# Altium PCB PCB1_done2.PcbDoc (part 1 of 3) (continued)
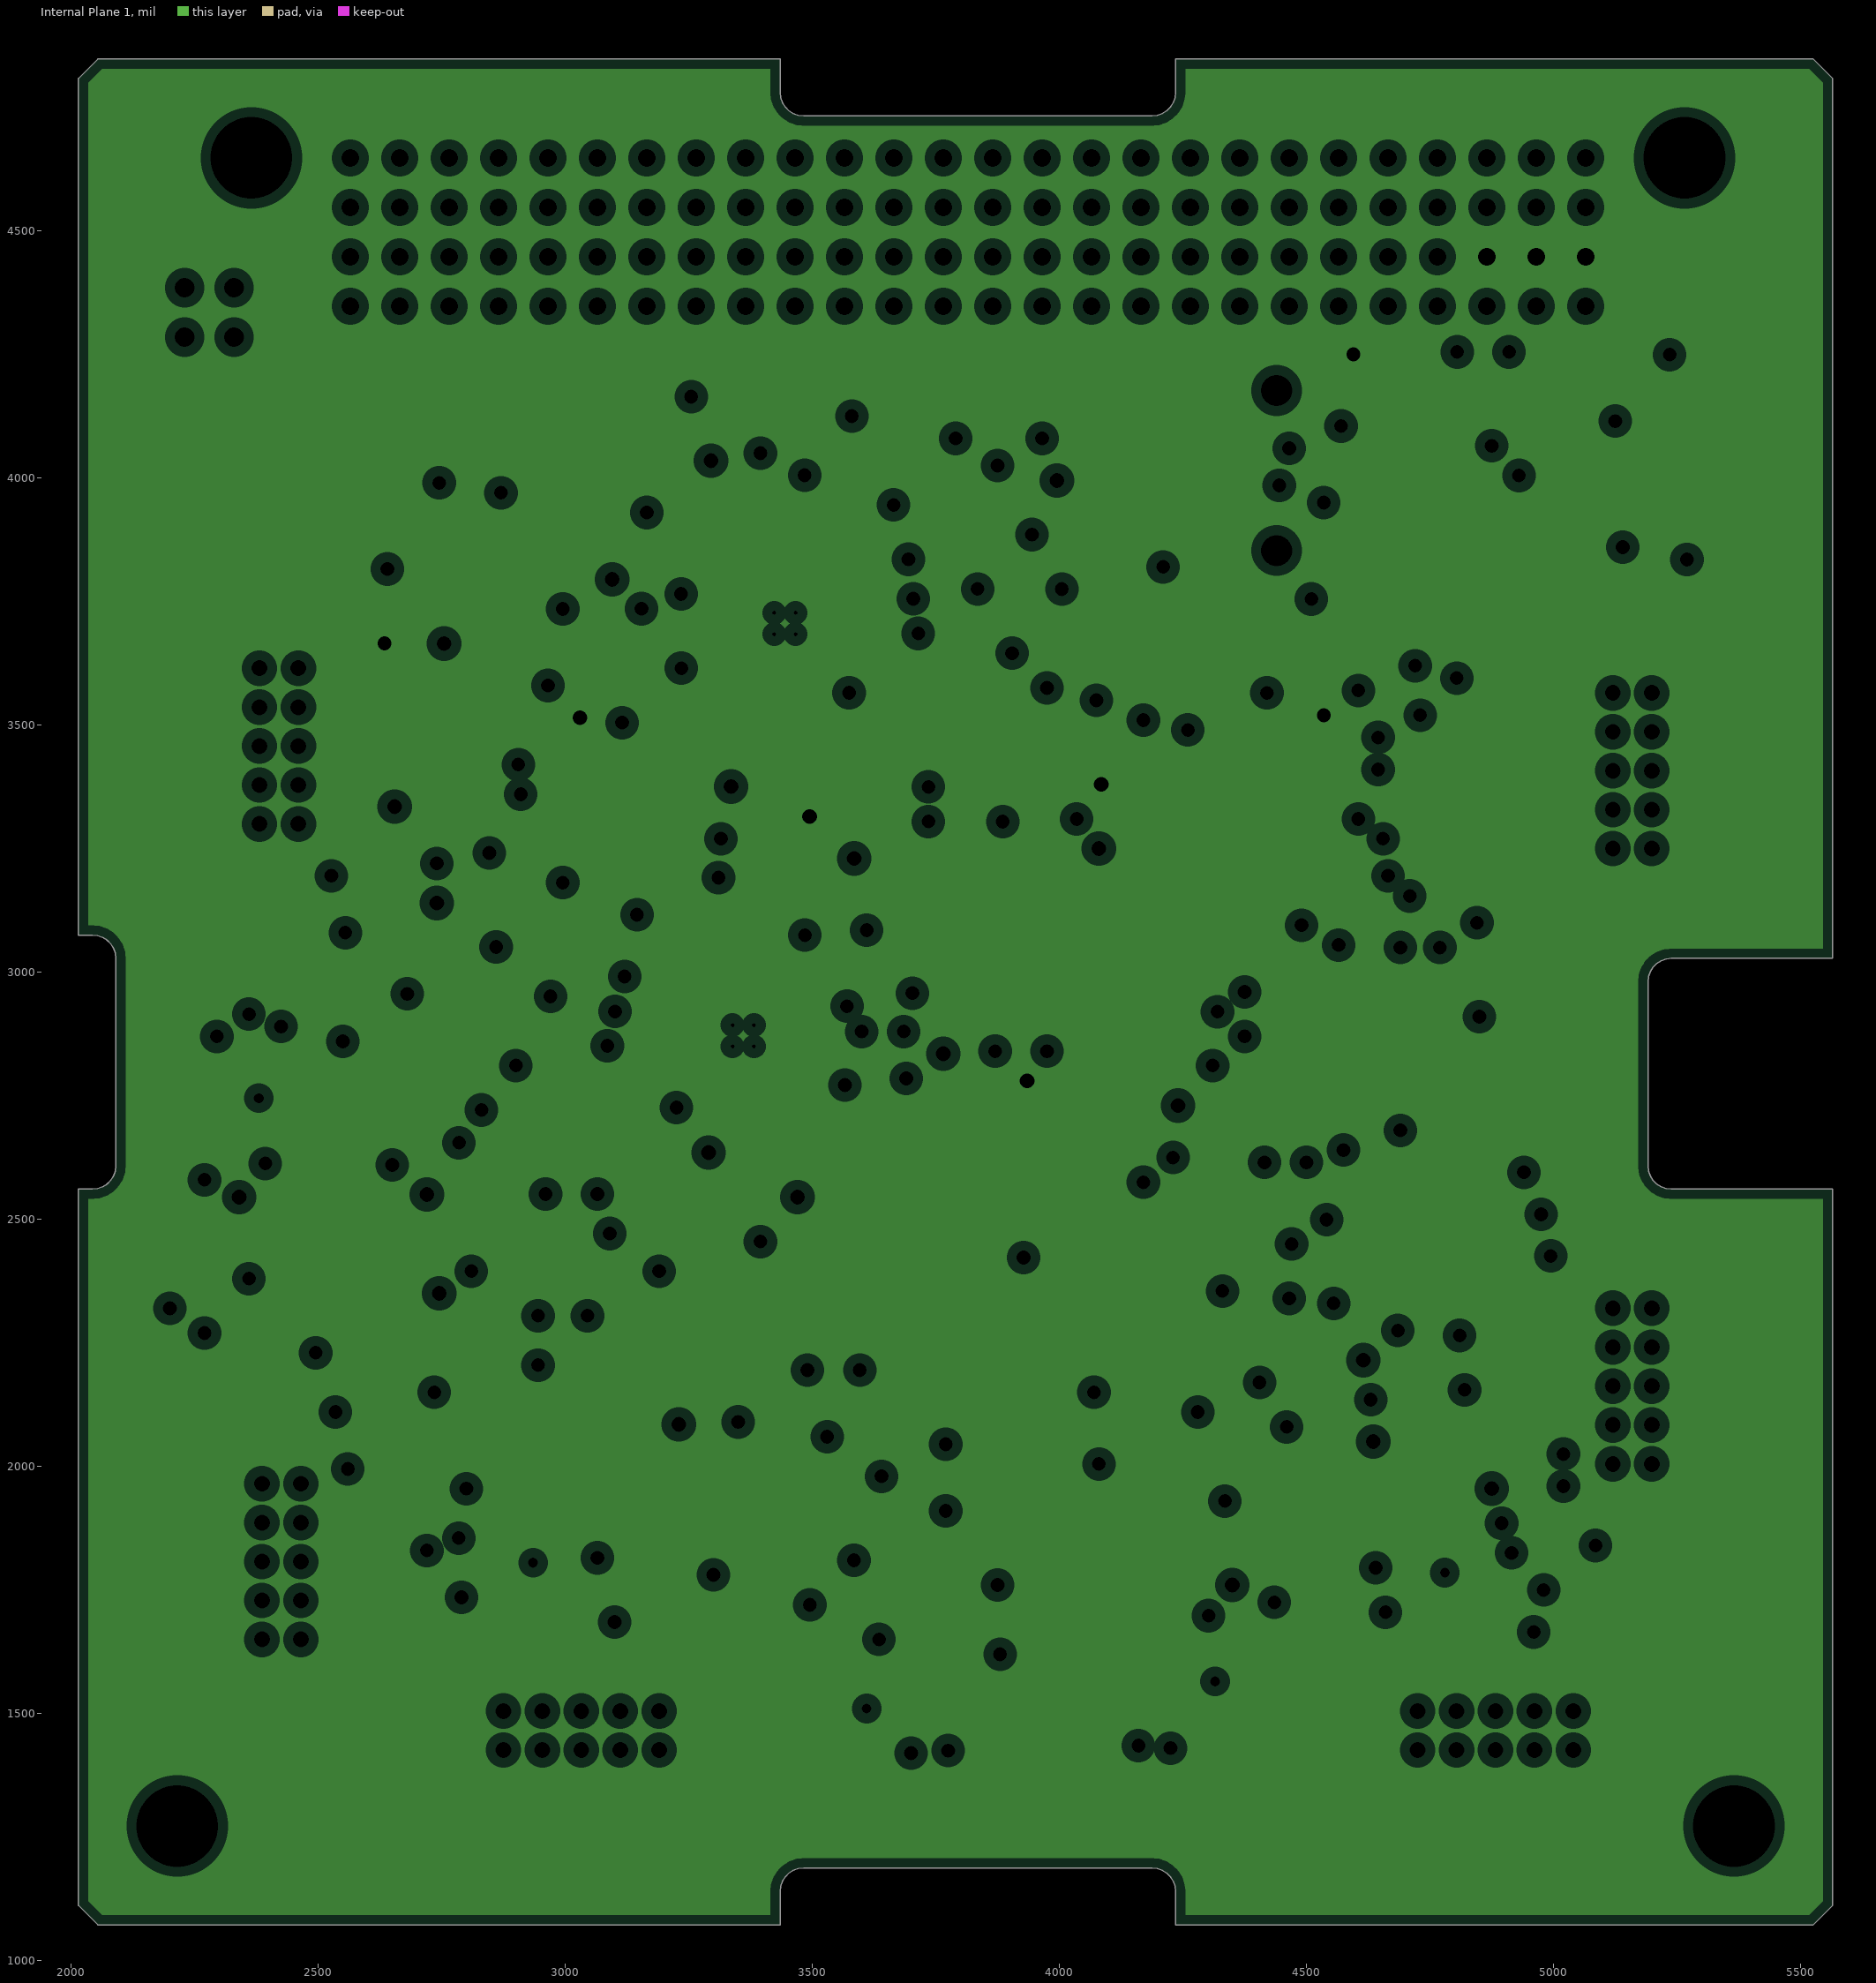
[diagram p4: Internal Plane 1, clearances drawn from the general rule]
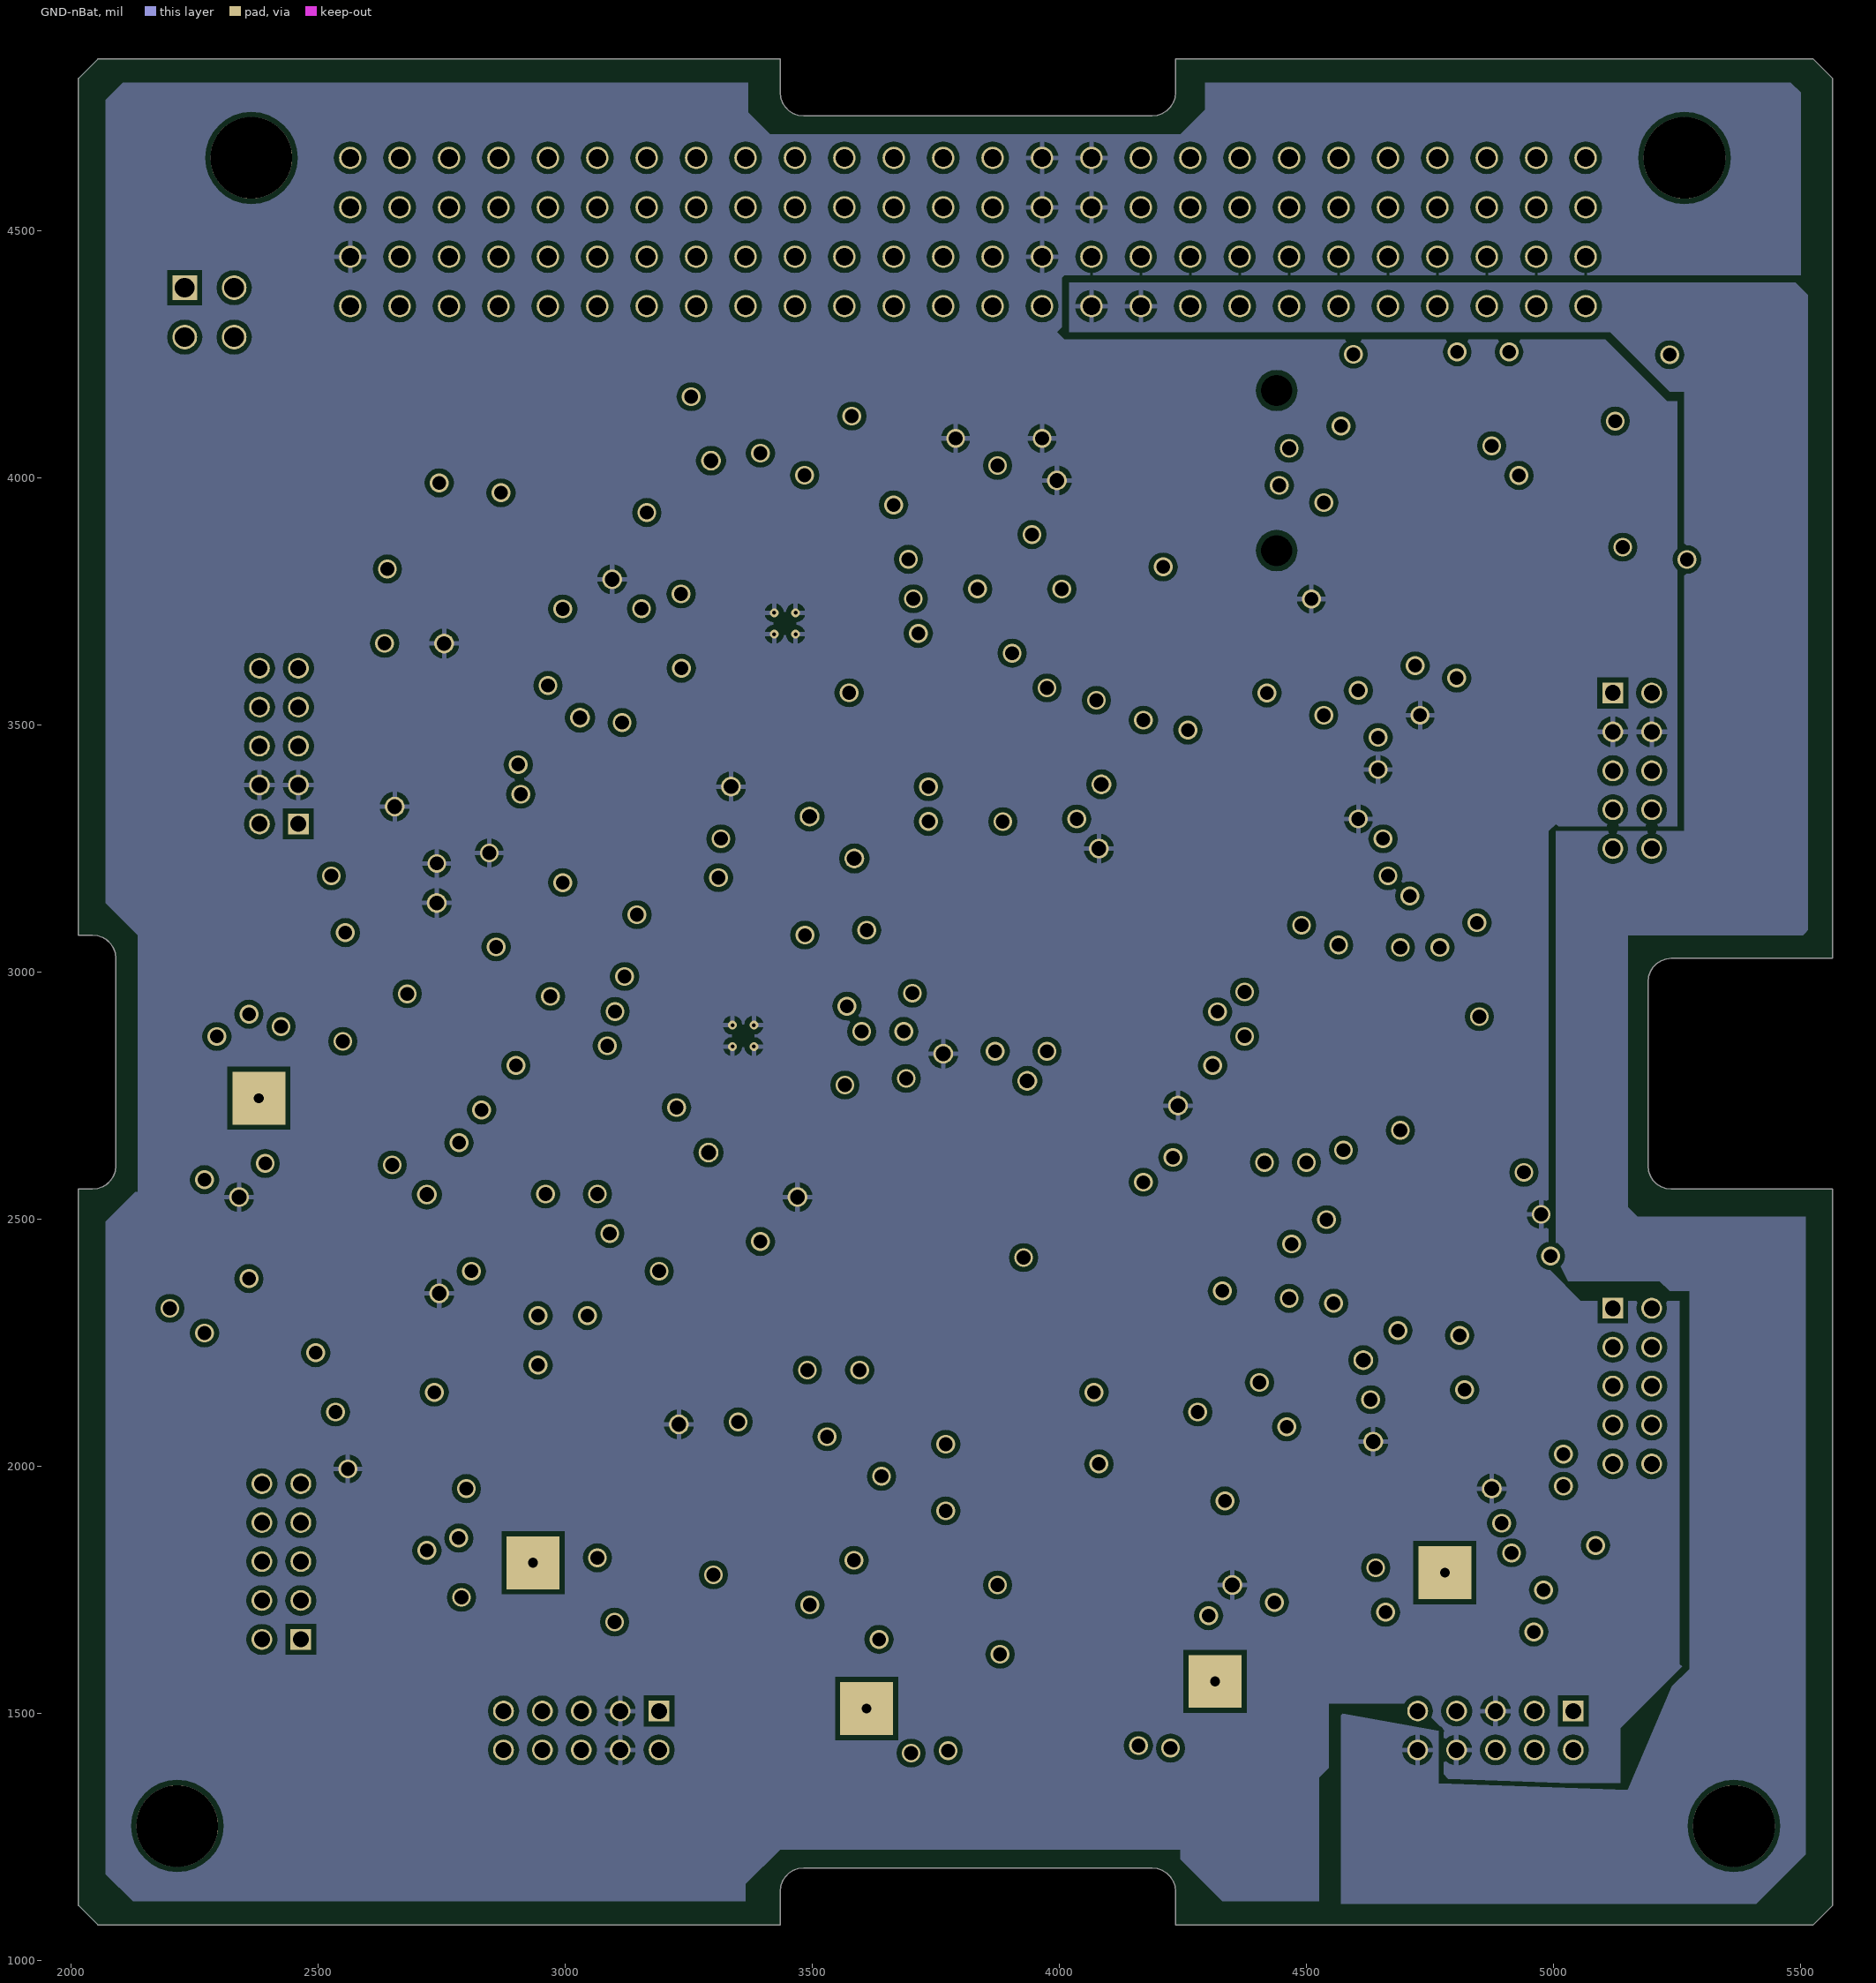
[diagram p5: GND-nBat]
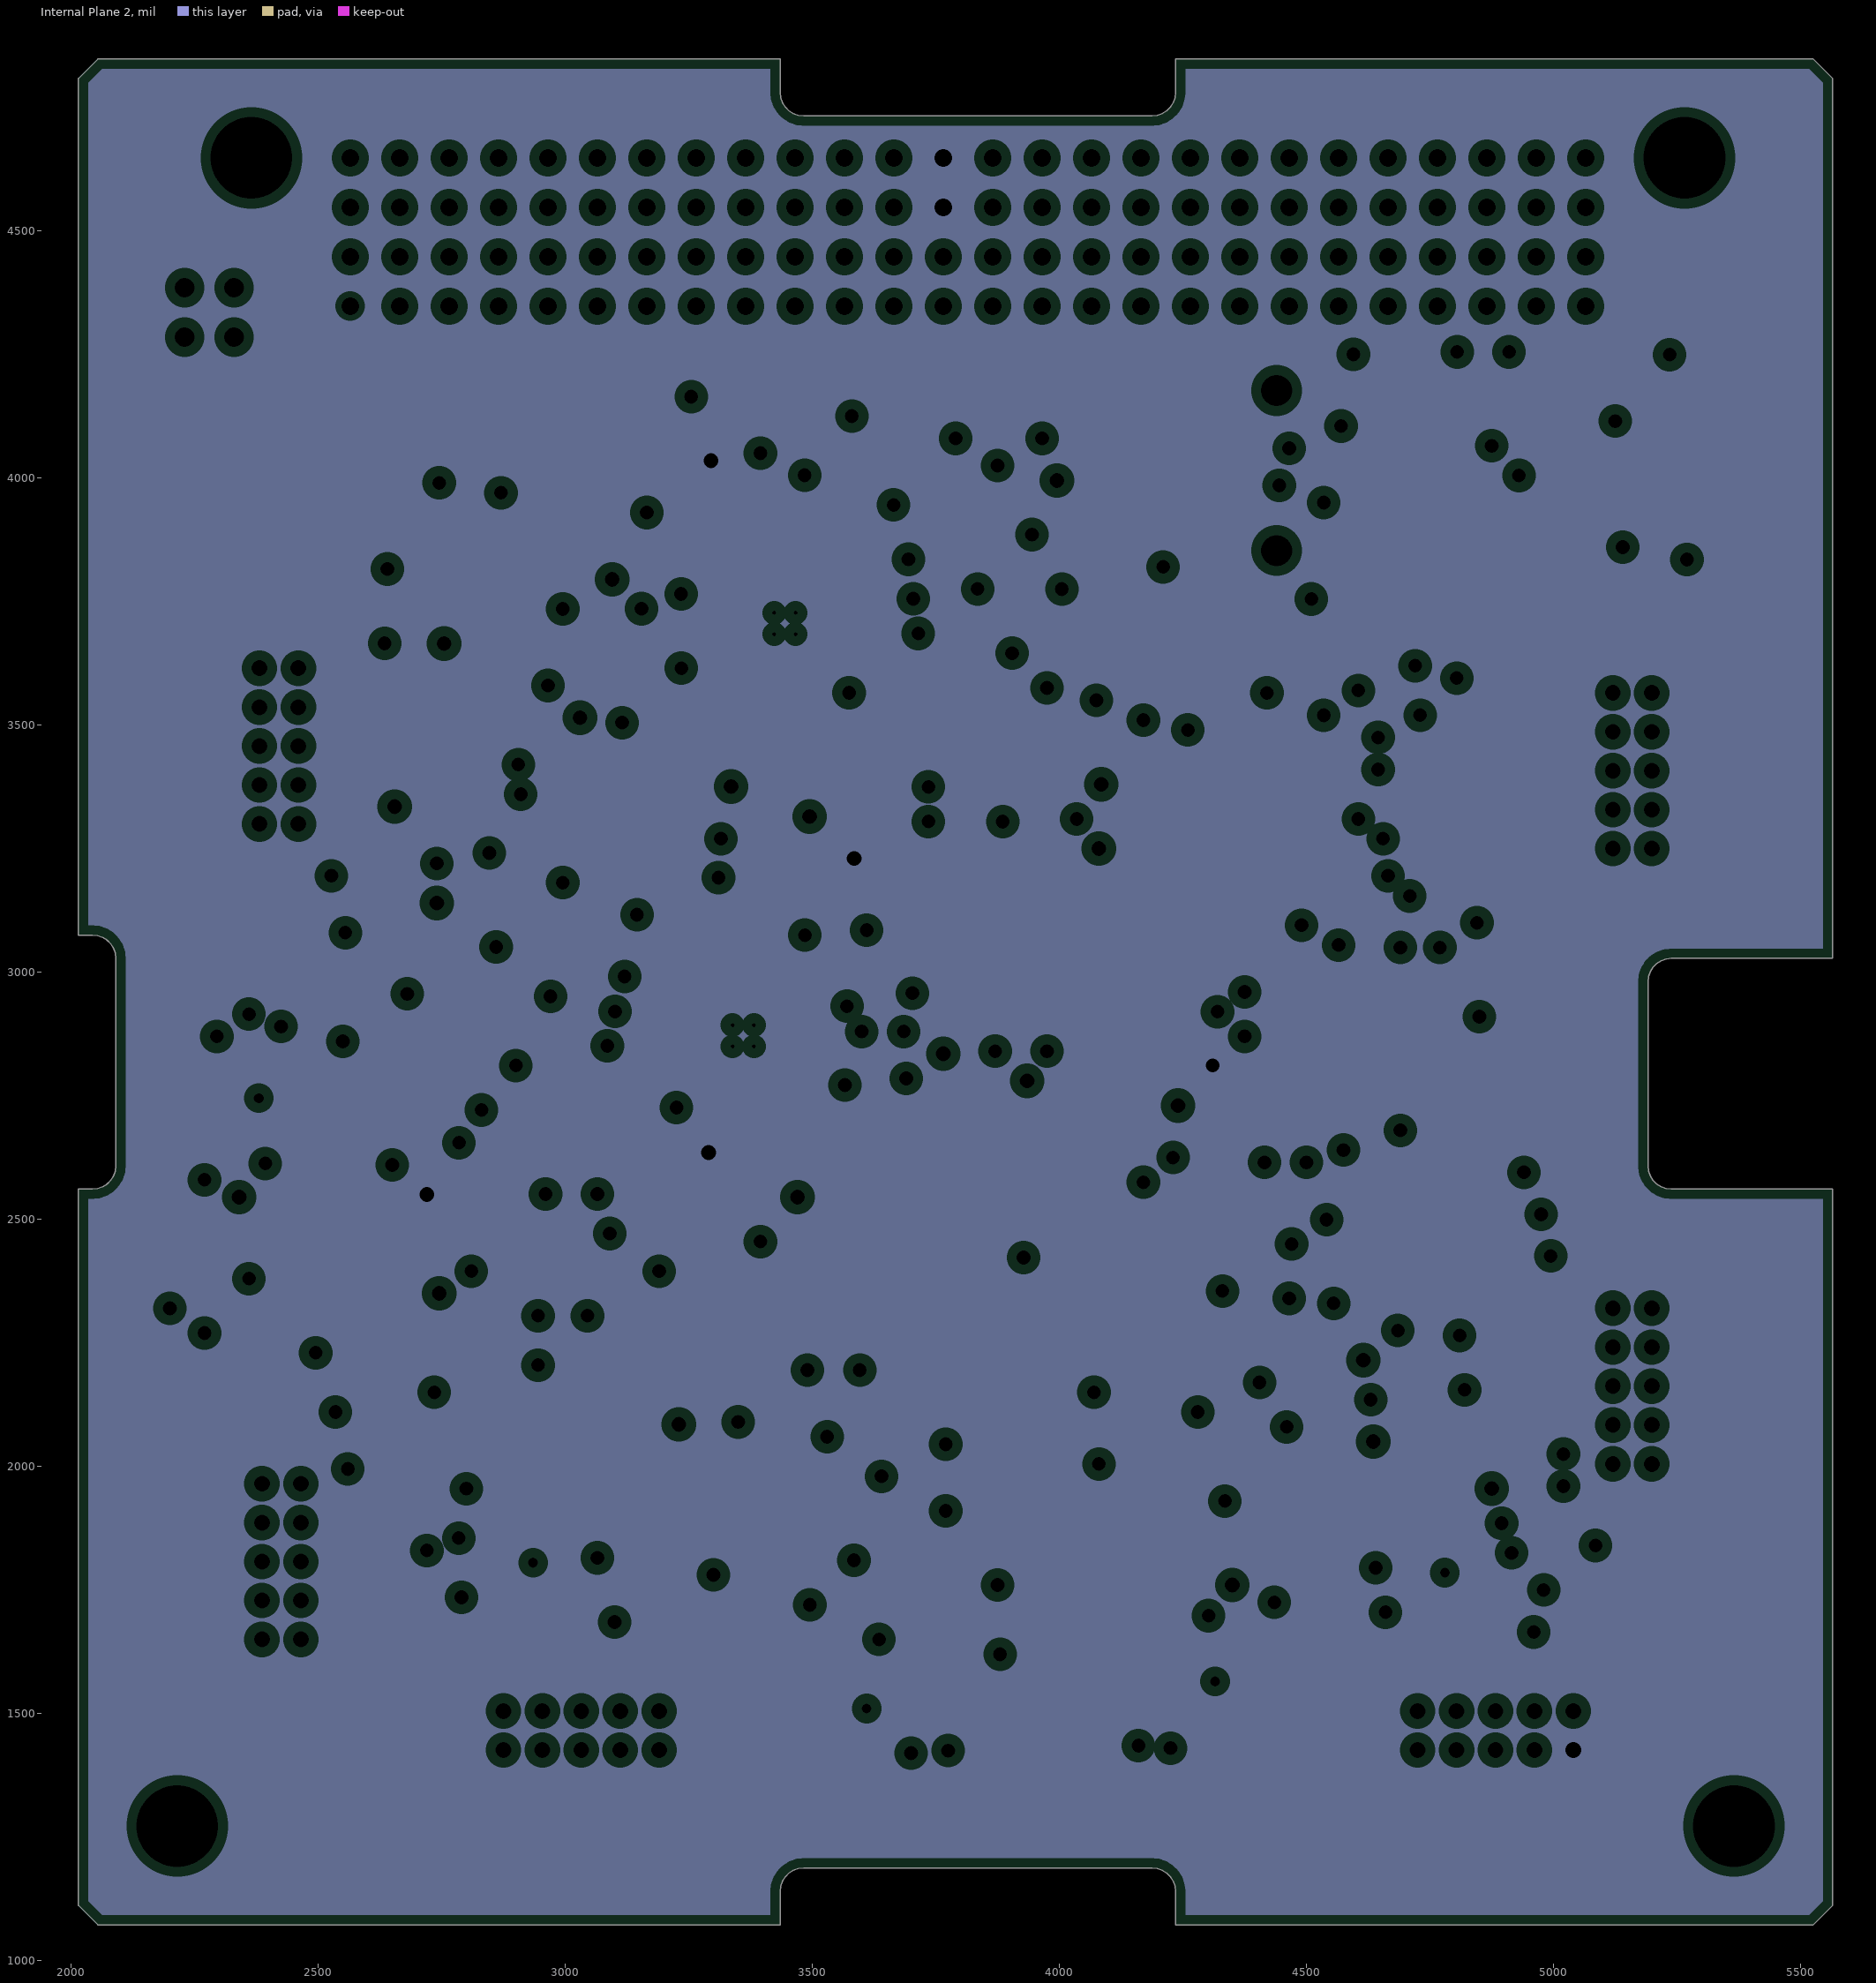
[diagram p6: Internal Plane 2, clearances drawn from the general rule]
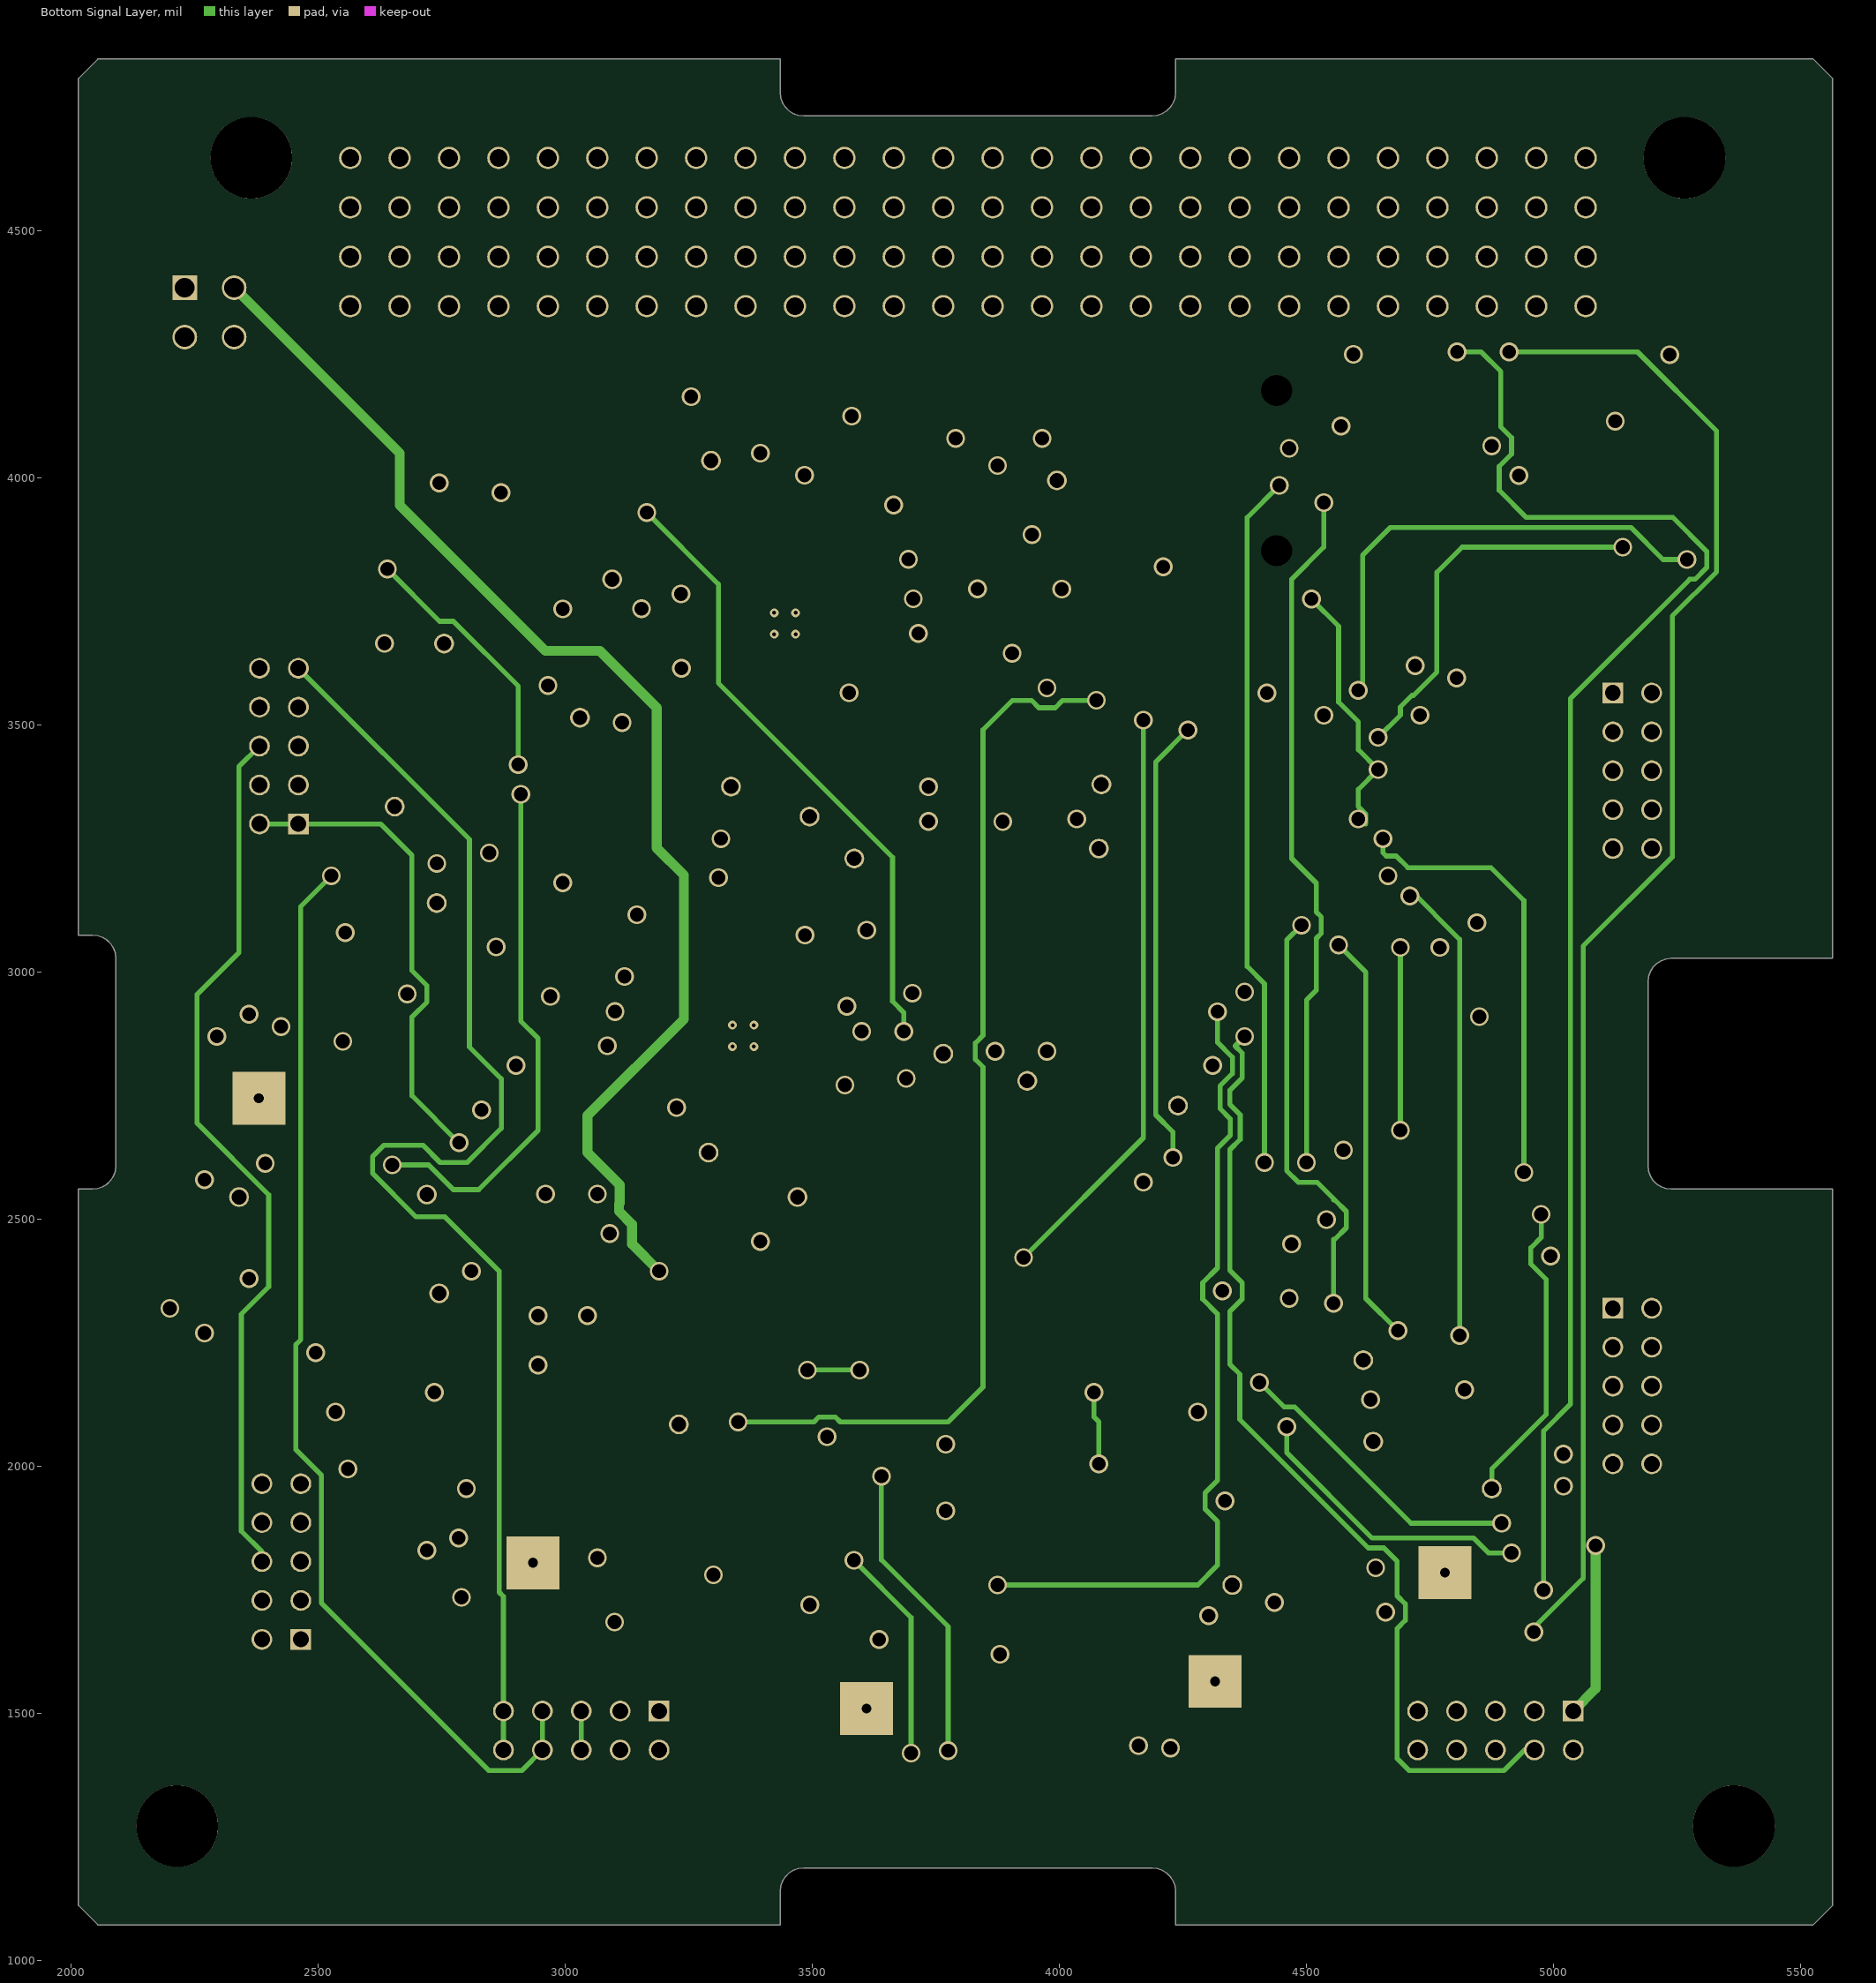
[diagram p7: Bottom Signal Layer]

## Layer stack, top to bottom
Top Solder: solder mask 0.4, Solder Resist, Dk 3.5
Top Layer: signal copper 1.4
Dielectric 1: core 10, FR-4, Dk 4.2
Top Signal Layer: signal copper 1.417
Dielectric 6: prepreg 5, Dk 4.2
Vbat-chrg: signal copper 1.417
Dielectric 2: core 10, Dk 4.2
Internal Plane 1: plane copper 1.417, net 3V3
Dielectric 7: core 10, Dk 4.2
GND-nBat: signal copper 1.417
Dielectric 3: prepreg 5, Dk 4.2
Internal Plane 2: plane copper 1.417, net 5V
Dielectric 8: core 10, Dk 4.2
Bottom Signal Layer: signal copper 1.417
Dielectric 5: core 10, Dk 4.2
Bottom Layer: signal copper 1.4
Bottom Solder: solder mask 0.4, Solder Resist, Dk 3.5

## Board outline
5525.63,4847.6 4235.08,4847.6 4235.08,4779.88 4233.89,4769.37 4230.4,4759.38 4224.77,4750.43 4217.29,4742.94 4208.33,4737.32 4198.35,4733.82 4187.83,4732.64 3482.32,4732.64 3471.81,4733.82 3461.82,4737.32 3452.87,4742.94 3445.39,4750.43 3439.76,4759.38 3436.26,4769.37 3435.08,4779.88 3435.08,4847.6 2054.37,4847.6 2015,4808.23 2015,3075.16 2043.35,3075.16 2053.86,3073.97 2063.84,3070.48 2072.8,3064.85 2080.28,3057.37 2085.91,3048.41 2089.41,3038.43 2090.59,3027.91 2090.59,2608.23 2089.41,2597.72 2085.91,2587.73 2080.28,2578.77 2072.8,2571.29 2063.84,2565.66 2053.86,2562.17 2043.35,2560.98 2015,2560.98 2015,1111.77 2054.37,1072.4 3435.08,1072.4 3435.08,1140.12 3436.26,1150.63 3439.76,1160.62 3445.39,1169.57 3452.87,1177.05 3461.82,1182.68 3471.81,1186.18 3482.32,1187.36 4187.83,1187.36 4198.35,1186.18 4208.33,1182.68 4217.29,1177.05 4224.77,1169.57 4230.4,1160.62 4233.89,1150.63 4235.08,1140.12 4235.08,1072.4 5525.63,1072.4 5565,1111.77 5565,2560.98 5238.23,2560.98 5227.72,2562.17 5217.73,2565.66 5208.77,2571.29 5201.29,2578.77 5195.66,2587.73 5192.17,2597.72 5190.98,2608.23 5190.98,2980.67 5192.17,2991.18 5195.66,3001.17 5201.29,3010.13 5208.77,3017.61 5217.73,3023.23 5227.72,3026.73 5238.23,3027.91 5565,3027.91 5565,4808.23

## Design rules (kind name [scope] priority, off if disabled: settings)
Clearance [All] p1: gap=10
PlaneClearance [All] p1: clearance=20
PlaneConnect [All] p1: planeconnectstyle=Relief reliefexpansion=20 reliefentries=4 reliefconductorwidth=10 reliefairgap=10
PolygonConnect [All] p1: connectstyle=Relief reliefconductorwidth=10 reliefentries=4 polygonreliefangle="90 Angle" airgapwidth=10
RoutingVias [All] p1: holewidth=28 width=50 viastyle="Through Hole" minholewidth=28 minwidth=50 maxholewidth=28 maxwidth=50
SolderMaskExpansion [All] p1: expansion=4
Width [All] p1: maxlimit=10 minlimit=10 preferedwidth=10
27 further rules are at their usual default settings.

## Classes and differential pairs
net class SWITCHES.5.NO: ARRAYNX.3.NEG
net class J4_Nets: NetJ4_1 SWITCHES.10.COM.COM
component class power_board_uC: C1 C2 R18 R100 R101 R102 R103 R112 R113 R122 R123 R132 R133 R142 R143 R152 R153 R162 R163 R172 R173 U1 U2 X1
component class power_board_2.SchDoc: H1 H2 J3 J4 JP3 P1 P2 P3 P4 P5 P6
component class MPPT_Measurements: R1 R3 R9 R19 R99 R115 U13 U18 U33
component class MPPT-BCR: C12 C14 C15 C16 C17 C18 C22 C24 C25 C26 C27 C28 C32 C34 C35 C36 C37 C38 C42 C44 C45 C46 C47 C48 C52 C54 C55 C56 C57 C58 Cf11 Cf21 Cf31 Cf41 Cf51 Cin1 Cin2 Cin3 Cin4 Cin5 Cout1 Cout2 Cout3 Cout4 Cout5 Dout1 Dout2 Dout3 Dout4 Dout5 Lx1 Lx2 Lx3 Lx4 Lx5 R11 R12 R13 R14 R15 R16 R21 R22 R23 R24 R25 R26 R31 R32 R33 R34 R35 R36 R41 R42 R43 R44 R45 R46 R51 R52 R53 R54 R55 R56 Rf11 Rf12 Rf21 Rf22 Rf31 Rf32 Rf41 Rf42 Rf51 Rf52 Rs1 Rs2 Rs3 Rs4 Rs5 U11 U12 U21 U22 U31 U32 U41 U42 U51 U52
component class BCR: C70 C72 C73 C74 C75 C76 C77 C78 C79 C82 C83 C84 C85 C86 C87 C88 C89 D72 D73 D82 D83 L72 L82 Q72 Q73 Q74 Q75 Q76 Q77 Q78 Q82 Q83 Q84 Q85 Q86 Q87 Q88 R70 R71 R72 R73 R74 R75 R76 R77 R78 R79 R82 R83 R84 R85 R86 R87 R88 R89 R710 R711 R712 R713 R714 R715 R716 R717 R718 R810 R811 R812 R813 R814 R815 R816 R817 R818 U70 U72 U73 U74 U75 U82 U83 U84 U85
net class J3_Nets: 3V3 RST STLINK-SWIM SWITCHES.10.COM.COM
net class ARRAYNX.1.POS: ARRAYNX.1.POS
net class ARRAYNX.2.POS: ARRAYNX.1.POS
net class ARRAYNX.3.NEG: ARRAYNX.3.NEG
net class ARRAYNX.4.NEG: ARRAYNX.3.NEG
net class ARRAYNX.5.VDD: ARRAYNX.5.VDD
net class ARRAYNX.6.VDD: ARRAYNX.5.VDD
net class ARRAYNX.7.SDA: ARRAYNX.7.SDA
net class ARRAYNX.8.SDA: ARRAYNX.7.SDA
net class ARRAYNX.9.SCL: ARRAYNX.9.SCL
net class ARRAYNX.10.SCL: ARRAYNX.9.SCL
net class ARRAYNX: ARRAYNX.1.POS ARRAYNX.3.NEG ARRAYNX.5.VDD ARRAYNX.7.SDA ARRAYNX.9.SCL
net class ARRAYNY.1.POS: ARRAYNY.1.POS
net class ARRAYNY.2.POS: ARRAYNY.1.POS
net class ARRAYNY.3.NEG: ARRAYNY.3.NEG
net class ARRAYNY.4.NEG: ARRAYNY.3.NEG
net class ARRAYNY.5.VDD: ARRAYNX.5.VDD
net class ARRAYNY.6.VDD: ARRAYNX.5.VDD
net class ARRAYNY.7.SDA: ARRAYNY.7.SDA
net class ARRAYNY.8.SDA: ARRAYNY.7.SDA
net class ARRAYNY.9.SCL: ARRAYNY.9.SCL
net class ARRAYNY.10.SCL: ARRAYNY.9.SCL
net class ARRAYNY: ARRAYNX.5.VDD ARRAYNY.1.POS ARRAYNY.3.NEG ARRAYNY.7.SDA ARRAYNY.9.SCL
net class ARRAYNZ.1.POS: ARRAYNZ.1.POS
net class ARRAYNZ.2.POS: ARRAYNZ.2.NC
net class ARRAYNZ.3.NEG: ARRAYNZ.3.NEG
net class ARRAYNZ.4.NEG: ARRAYNZ.4.COM
net class ARRAYNZ.5.VDD: ARRAYNX.5.VDD
net class ARRAYNZ.6.VDD: ARRAYNZ.6.NO
net class ARRAYNZ.7.SDA: ARRAYNZ.7.SDA
net class ARRAYNZ.8.SDA: ARRAYNZ.8.NC
net class ARRAYNZ.9.SCL: ARRAYNZ.9.SCL
net class ARRAYNZ.10.SCL: ARRAYNZ.10.COM
net class ARRAYNZ: ARRAYNX.5.VDD ARRAYNZ.1.POS ARRAYNZ.2.NC ARRAYNZ.3.NEG ARRAYNZ.4.COM ARRAYNZ.6.NO ARRAYNZ.7.SDA ARRAYNZ.8.NC ARRAYNZ.9.SCL ARRAYNZ.10.COM
net class ARRAYX.1.POS: ARRAYX.1.POS
net class ARRAYX.2.POS: ARRAYX.1.POS
net class ARRAYX.3.NEG: ARRAYNX.3.NEG
net class ARRAYX.4.NEG: ARRAYNX.3.NEG
net class ARRAYX.5.VDD: ARRAYNX.5.VDD
net class ARRAYX.6.VDD: ARRAYNX.5.VDD
net class ARRAYX.7.SDA: ARRAYNX.7.SDA
net class ARRAYX.8.SDA: ARRAYNX.7.SDA
net class ARRAYX.9.SCL: ARRAYNX.9.SCL
net class ARRAYX.10.SCL: ARRAYNX.9.SCL
net class ARRAYX: ARRAYNX.3.NEG ARRAYNX.5.VDD ARRAYNX.7.SDA ARRAYNX.9.SCL ARRAYX.1.POS
net class ARRAYY.1.POS: ARRAYY.1.POS
net class ARRAYY.2.POS: ARRAYY.1.POS
net class ARRAYY.3.NEG: ARRAYNX.3.NEG
net class ARRAYY.4.NEG: ARRAYNX.3.NEG
net class ARRAYY.5.VDD: ARRAYNX.5.VDD